# Altium PCB WaterSupplyController.PcbDoc (part 2 of 2)
Units mm, origin at the board's own origin, x right, y up, seen from the top; angles counter-clockwise.
Board outline 96 x 90 mm, 2 copper layers (Top Layer, Bottom Layer), stack 1.569 mm thick; 174 components, 120 nets, 529 pads, 451 vias.
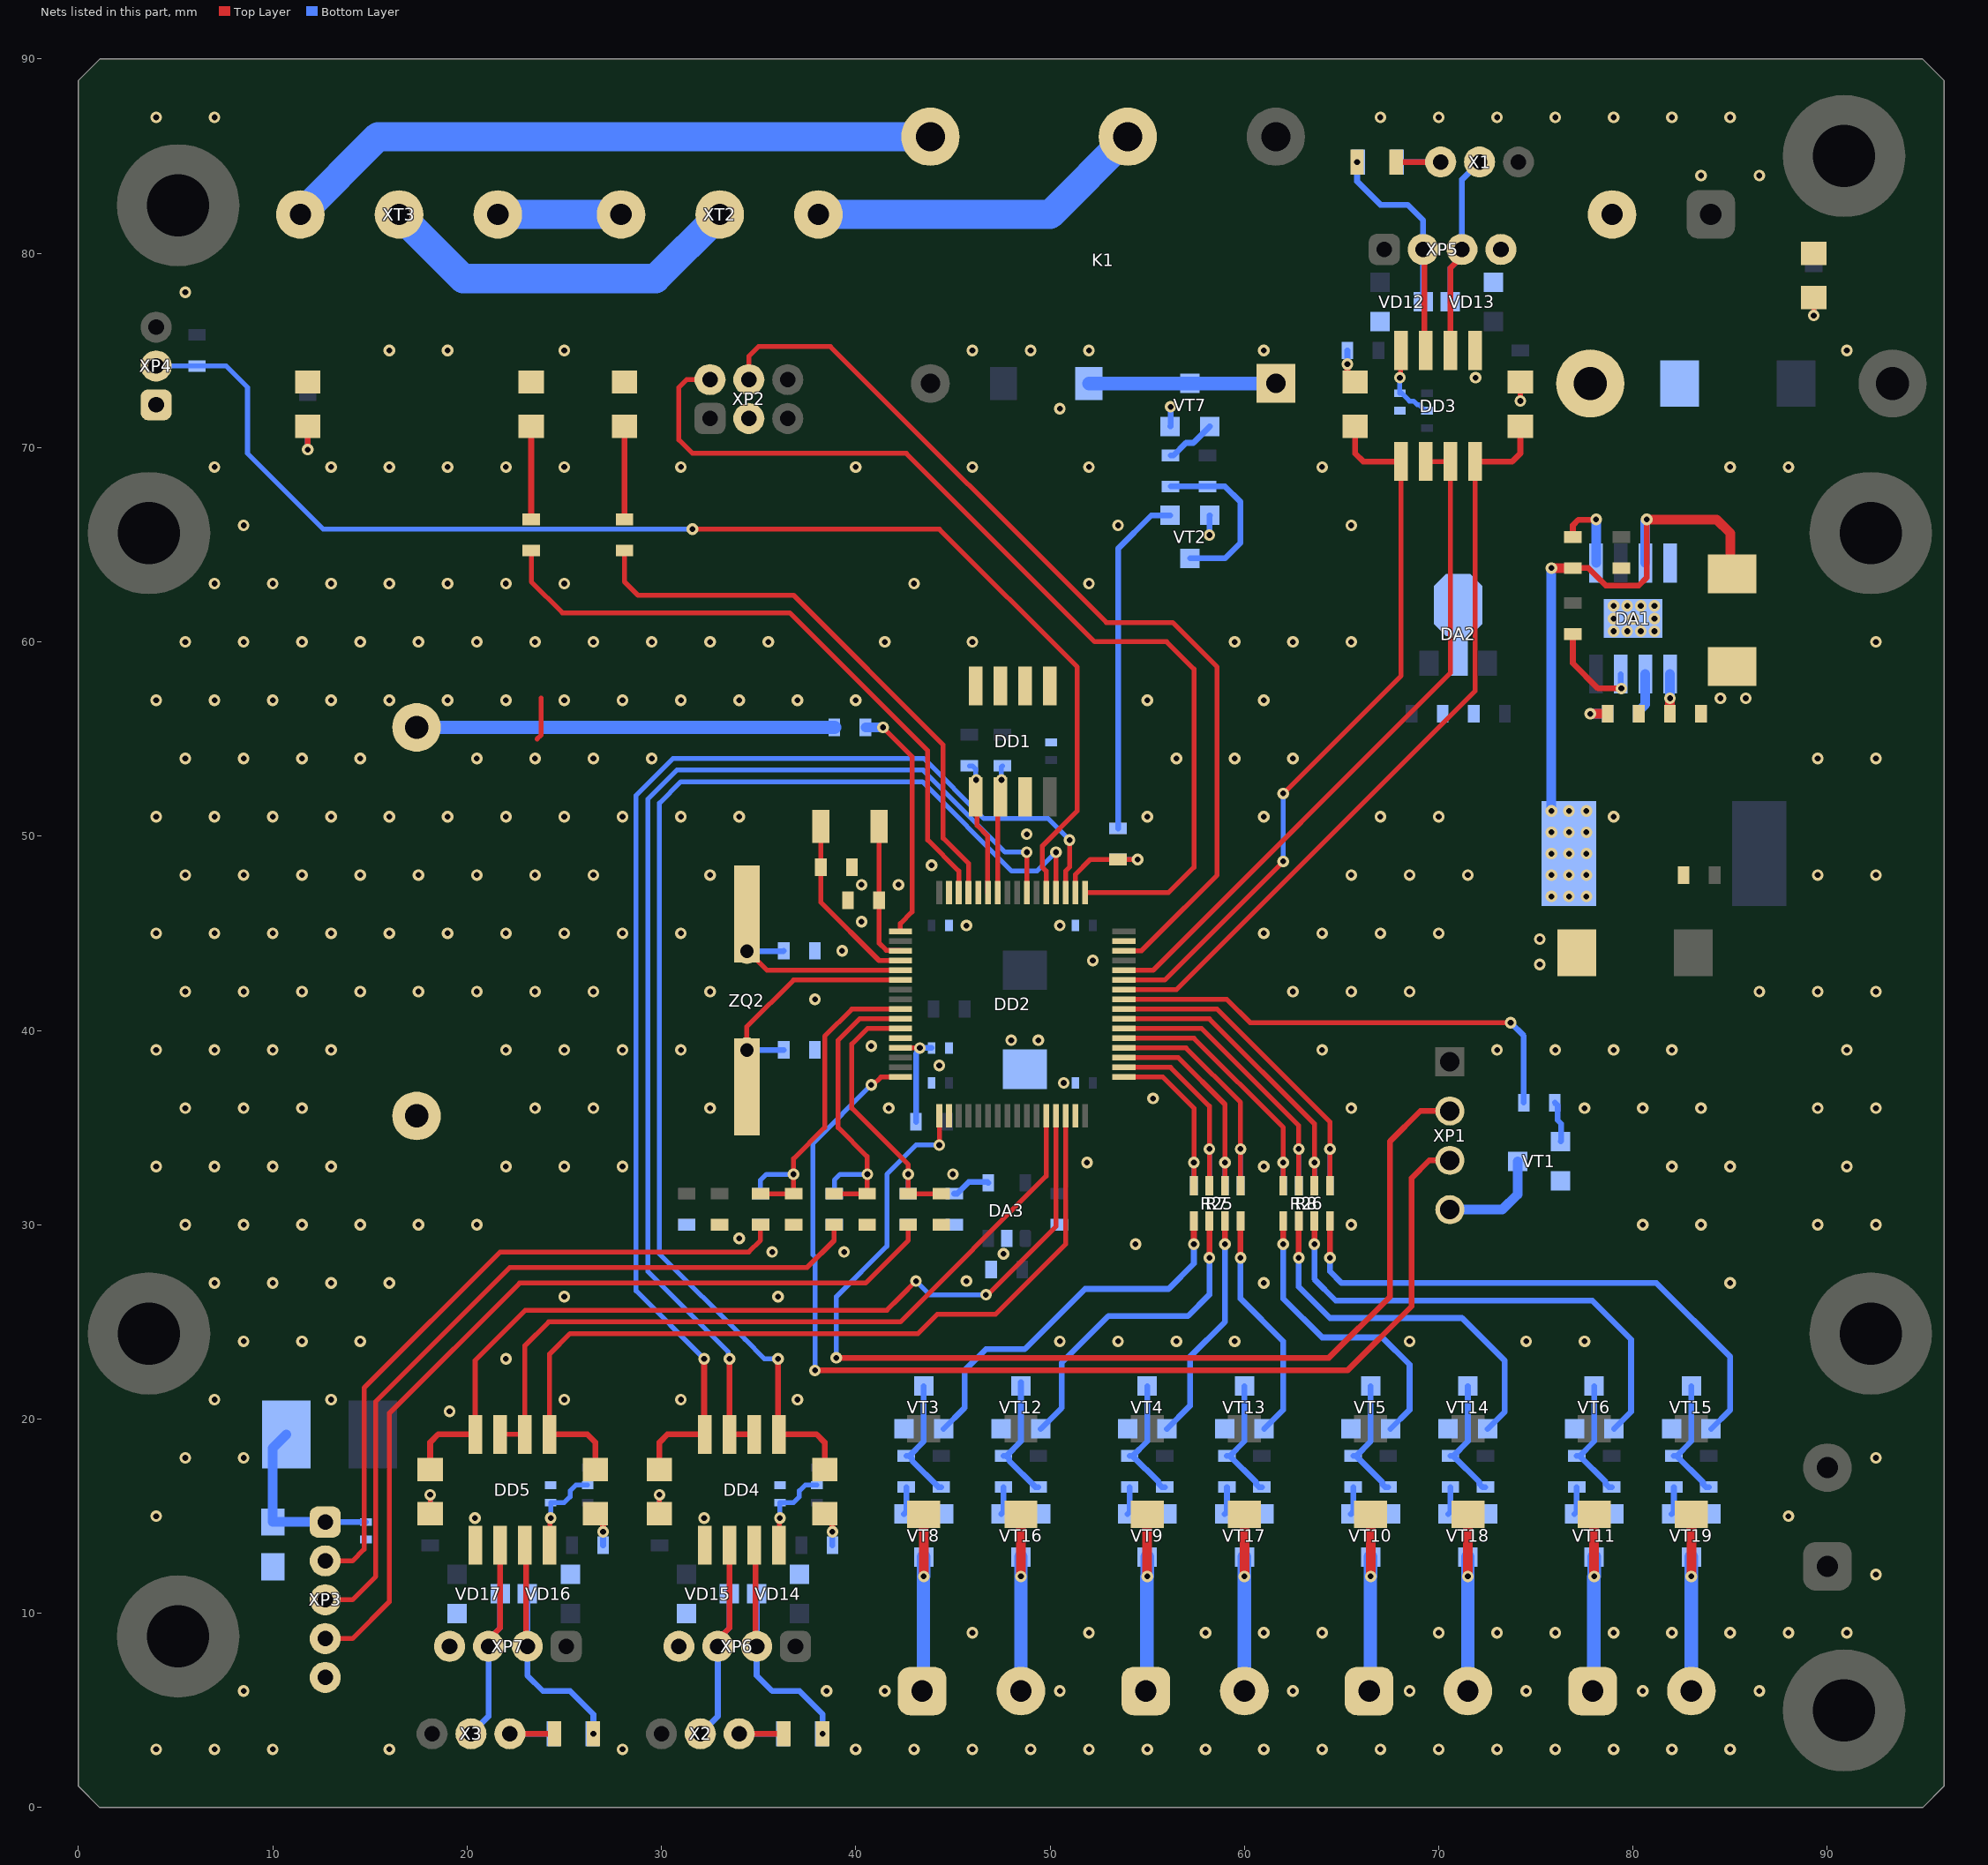
[diagram p2: the nets of this part, all layers, seen from the top]

## Via types
v1: diameter 0.6, hole 0.3, Top Layer to Bottom Layer, 266 vias
v2: diameter 0.6, hole 0.3, Top Layer to Bottom Layer, tented both sides, 185 vias

## Nets (pads, with @x,y where several pads share a name; then routed paths per layer and width w, separated by ;. In a path a pad name is that pad's centre, name@x,y a point inside that pad or via, vN(x,y) a via of type N, cw(c..) or ccw(c..) an arc to the next point about the centre after c; other vN are vias at no path point) (continued)
ADC_IN11_3: C20.1 DD2.9 R14.1 R21.2 | length 17.5
  Top Layer w0.25: R21.2@35.1,31.6 R14.1@36.8,31.6 36.8,33.4 38.4,35 38.4,39.7 39.8,41.1 DD2.9@42.3,41.1
  Bottom Layer w0.25: C20.1@35.1,31.6 35.1,32.3 35.4,32.6 v2(36.8,32.6)
ADC_IN12_3: C21.1 DD2.10 R15.1 R22.2 | length 16.4
  Top Layer w0.25: R22.2@38.884,31.6 R15.1@40.584,31.6 40.584,33.516 39.1,35 39.1,39.5 40.2,40.6 DD2.10@42.3,40.6
  Bottom Layer w0.25: C21.1@38.9,31.6 38.9,32.3 39.2,32.6 v2(40.6,32.6)
AIN2_1: R21.1 XP3.2 | length 34.9
  Top Layer w0.25: XP3.2@12.7,12.7 14.1,12.7 14.7,13.3 14.7,21.6 21.7,28.6 34.5,28.6 35.1,29.2 R21.1@35.1,30
AIN3_1: R22.1 XP3.3 | length 39.9
  Top Layer w0.25: XP3.3@12.7,10.7 14.1,10.7 15.3,11.9 15.3,20.9 22.2,27.8 37.5,27.8 38.884,29.184 R22.1@38.884,30
AIN4_1: R23.1 XP3.4 | length 45.1
  Top Layer w0.25: XP3.4@12.775,8.775 XP3.4@12.7,8.7 14.1,8.7 16,10.6 16,20.3 22.7,27 40.5,27 42.7,29.2 R23.1@42.7,30
COUNTER_IN_3: C22.1 DD2.11 R16.1 R23.2 | length 14.3
  Top Layer w0.25: DD2.11@42.3,40.1 40.6,40.1 39.8,39.3 39.8,36 42.7,33.1 v2(42.7,32.6) ; v2@42.7,32.5 R23.2@42.7,31.6 R16.1@44.4,31.6
  Bottom Layer w0.25: C22.1@42.7,31.6 v2(42.7,32.6)
DISP_PWR_EN_3: DD2.41 R19.1 | length 24.8
  Top Layer w0.25: DD2.41@53.8,41.6 59.1,41.6 60.3,40.4 v2(73.7,40.4)
  Bottom Layer w0.3: v2(73.7,40.4) 74.376,39.724 R19.1@74.376,36.285
EN_TXD/R\X\D\1: DD2.44 DD3.2 DD3.3 | length 35.3
  Top Layer w0.25: DD2.44@53.8,43.1 55.3,43.1 70.6,58.4 DD3.3@70.6,69.285 DD3.2@69.33,69.285
EN_TXD/R\X\D\2: DD2.55 DD4.2 DD4.3 | length 59.7
  Top Layer w0.25: DD4.2@34.77,19.215 DD4.2@34.785,19.23 ; DD2.55@48.8,47.1 v2(48.8,49.175)
  Top Layer w0.3: v2(33.5,23.1) DD4.3@33.5,19.215 DD4.2@34.77,19.215
  Bottom Layer w0.25: v2(33.5,23.1) 33.433,23.167 33.433,23.467 29.3,27.6 29.3,51.9 30.8,53.4 43.464,53.4 47.689,49.175 v2(48.8,49.175)
EN_TXD/R\X\D\3: DD2.28 DD5.2 DD5.3 | length 39.4
  Top Layer w0.25: DD5.3@21.7,19.215 DD5.2@22.97,19.215 22.97,23.77 24.2,25 42.291,25 49.8,32.509 DD2.28@49.8,35.6
GND: C1.2 C2.2 C3.2 C4.2 C7.2 C8.2 C9.1 C10.2 C11.2 C12.2 C13.2 C14.2 C15.2 C16.2 C17.2 C18.2 C19.2 C20.2 C21.2 C22.2 C23.2 C24.2 C25.2 C26.2 C27.2 C28.2 C29.1 C30.1 C31.1 DA1.4 DA1.9 DA2.2 DA3.2 DD1.1 DD1.2 DD1.3 DD1.4 DD1.7 DD2.12 DD2.18 DD2.31 DD2.47 DD2.60 DD2.63 DD3.5 DD4.5 DD5.5 GB1.2 HL1.2 HL2.2 HL3.2 HL4.2 R4.2 R5.2 R13.2 R14.2 R15.2 R16.2 VD1.1 VD2.1 VD12.1 VD13.1 VD14.1 VD15.1 VD16.1 VD17.1 VT1.2 VT2.2 VT3.2 VT4.2 VT5.2 VT6.2 VT7.2 VT8.2 VT9.2 VT10.2 VT11.2 VT12.2 VT13.2 VT14.2 VT15.2 VT16.2 VT17.2 VT18.2 VT19.2 XP2.3 XP3.5 XP4.1 XP5.4 XP6.4 XP7.4 XT1.2 | length 4.2
  Top Layer w0.25: 23.6,55 23.8,55.2 23.8,57.1
  Bottom Layer w0.3: VT7.2@56.184,71.09 56.2,71.106 v2(56.2,72.1) ; v2(58.2,65.5) 58.2,66.494 VT2.2@58.216,66.51
  other v1: 4,3 7,3 10,3 16,3 28,3 40,3 43,3 46,3 49,3 52,3 55,3 58,3 61,3 64,3 67,3 70,3 73,3 76,3 79,3 82,3 85,3 8.5,6 38.5,6 41.5,6 50.5,6 62.5,6 68.5,6 74.5,6 80.5,6 86.5,6 46,9 52,9 58,9 61,9 64,9 70,9 73,9 76,9 79,9 82,9 85,9 88,9 91,9 92.5,12 4,15 88,15 5.5,18 8.5,18 92.5,18 7,21 13,21 25,21 31,21 37,21 8.5,24 11.5,24 14.5,24 50.5,24 53.5,24 56.5,24 59.5,24 68.5,24 74.5,24 77.5,24 7,27 10,27 13,27 16,27 61,27 85,27 5.5,30 8.5,30 11.5,30 14.5,30 17.5,30 20.5,30 65.5,30 80.5,30 83.5,30 89.5,30 92.5,30 4,33 7,33 10,33 13,33 22,33 25,33 28,33 61,33 82,33 85,33 91,33 5.5,36 8.5,36 11.5,36 23.5,36 26.5,36 32.5,36 65.5,36 77.5,36 80.5,36 83.5,36 89.5,36 92.5,36 4,39 7,39 10,39 13,39 22,39 25,39 28,39 31,39 64,39 73,39 76,39 79,39 82,39 91,39 5.5,42 8.5,42 11.5,42 14.5,42 17.5,42 20.5,42 23.5,42 26.5,42 32.5,42 62.5,42 65.5,42 68.5,42 86.5,42 89.5,42 92.5,42 4,45 7,45 10,45 13,45 16,45 19,45 22,45 25,45 28,45 31,45 61,45 64,45 67,45 70,45 5.5,48 8.5,48 11.5,48 14.5,48 17.5,48 20.5,48 23.5,48 26.5,48 32.5,48 65.5,48 68.5,48 71.5,48 89.5,48 92.5,48 4,51 7,51 10,51 13,51 16,51 19,51 22,51 25,51 28,51 31,51 34,51 55,51 61,51 67,51 70,51 79,51 5.5,54 8.5,54 11.5,54 14.5,54 20.5,54 23.5,54 26.5,54 29.5,54 56.5,54 59.5,54 62.5,54 89.5,54 92.5,54 4,57 7,57 10,57 13,57 16,57 19,57 22,57 25,57 28,57 31,57 34,57 37,57 40,57 55,57 61,57 5.5,60 8.5,60 11.5,60 14.5,60 17.5,60 20.5,60 23.5,60 26.5,60 29.5,60 32.5,60 35.5,60 41.5,60 59.5,60 62.5,60 65.5,60 92.5,60 7,63 10,63 13,63 16,63 19,63 22,63 25,63 43,63 52,63 8.5,66 53.5,66 65.5,66 7,69 13,69 16,69 19,69 22,69 25,69 31,69 40,69 46,69 52,69 64,69 85,69 88,69 50.5,72 16,75 19,75 46,75 49,75 52,75 61,75 91,75 5.5,78 83.5,84 86.5,84 4,87 7,87 67,87 70,87 73,87 76,87 79,87 82,87 85,87
  other v2: 20.4,14.9 32.2,14.9 19.1,20.4 22,23.1 25,26.3 36,26.3 45.7,27.1 47.6,28.5 35.7,28.6 39.4,28.6 54.4,29 34,29.3 45,32.6 51.9,33.2 41.7,36 55.3,36.5 50.7,37.3 44.3,38.2 40.8,39.2 48,39.5 49.4,39.5 37.9,41.6 75.2,43.4 52.2,43.6 39.3,44.1 75.2,44.7 45.7,45.4 50.5,45.4 40.3,45.6 40.3,47.5 42.2,47.5 43.9,48.5 48.8,50.1 84.5,57.1 85.8,57.1 46,60 79,60.55 79.7,60.55 80.4,60.55 81.1,60.55 79,61.2 80,61.2 81.1,61.2 79,61.85 79.7,61.85 80.4,61.85 81.1,61.85 71.9,73.6 25,75
I2C1_SCL_3: DD1.6 DD2.58 R11.1 | length 7.7
  Top Layer w0.25: DD2.58@47.3,47.1 DD1.6@47.3,51.873 ; v2(47.5,52.9) DD1.6@47.45,52.85 ; DD1.6@47.3,51.873 47.3,52.7 DD1.6@47.45,52.85 ; DD1.6@47.3,51.873 DD1.6@47.45,52.023 DD1.6@47.45,52.85
  Bottom Layer w0.25: v2(47.5,52.9) 47.5,53.573 R11.1@47.55,53.623
I2C1_SDA_3: DD1.5 DD2.59 R12.1 | length 7
  Top Layer w0.25: v2(46.2,52.9) 46.2,52.043 DD1.5@46.18,52.023 46.25,51.953 46.25,50.55 46.775,50.025 46.775,47.125 DD2.59@46.8,47.1
  Bottom Layer w0.25: R12.1@45.85,53.623 46,53.623 46.175,53.448 46.175,52.925 v2(46.2,52.9)
LED1_3: DD2.62 R17.1 | length 33.6
  Top Layer w0.25: R17.1@23.3,64.7 23.3,63.1 24.9,61.5 36.6,61.5 43.7,54.4 43.7,49.8 45.3,48.2 DD2.62@45.3,47.1
LED2_3: DD2.61 R18.1 | length 29.6
  Top Layer w0.25: R18.1@28.1,64.7 28.1,63.1 28.8,62.4 36.8,62.4 44.5,54.7 44.5,49.9 45.8,48.6 DD2.61@45.8,47.1
NetC5_1: C5.1 DA1.1 | length 4.2
  Top Layer w0.3: C5.1@76.9,65.4 76.9,66.001 77.18,66.281 78.081,66.281 v2(78.1,66.3)
  Bottom Layer w0.5: DA1.1@78.095,64.057 78.097,64.06 78.097,66.298 v2(78.1,66.3)
NetC5_2: C5.2 DA1.3 L1.1 VD2.2 | length 29.9
  Top Layer w0.3: C5.2@76.9,63.8 77.7,63.8 77.799,63.701 78.6,62.9 80.3,62.9 80.7,63.3 v2(80.7,66.3)
  Top Layer w0.5: v2(75.8,63.8) C5.2@76.9,63.8 ; v2(80.7,66.3) 84.3,66.3 85,65.6 85,63.6 VD2.2@85.1,63.5
  Bottom Layer w0.5: v2(75.8,51.3) v2(75.8,63.8) ; DA1.3@80.635,64.057 80.635,66.208 80.7,66.273 v2(80.7,66.3)
  other v2: 75.8,46.9 76.7,46.9 77.6,46.9 75.8,48 76.7,48 77.6,48 75.8,49.1 76.7,49.1 77.6,49.1 75.8,50.2 76.7,50.2 77.6,50.2 76.7,51.3 77.6,51.3
NetC6_1: C6.1 DA1.6 | length 2.2
  Bottom Layer w0.5: C6.1@80.3,56.3 80.3,56.45 80.635,56.785 DA1.6@80.635,58.342
NetC6_2: C6.2 R5.1 | length 1.8
  Top Layer w0.5: v2(77.8,56.3) R5.1@78.7,56.3
  Bottom Layer w0.5: v2(77.8,56.3) C6.2@78.7,56.3
NetC11_1: C11.1 DA3.4 | length 2
  Bottom Layer w0.3: C11.1@45.07,31.6 45.22,31.6 45.82,32.2 46.775,32.2 DA3.4@46.818,32.157
NetC18_1: C18.1 DD2.13 L3.2 | length 5.5
  Top Layer w0.25: DD2.13@42.3,39.1 v2(43.3,39.1)
  Bottom Layer w0.3: L3.2@43.1,35.3 43.1,38.819 43.3,39.019 v2(43.3,39.1) C18.1@43.9,39.1
NetC23_1: C23.1 DD2.3 ZQ1.1 | length 7.7
  Top Layer w0.25: ZQ1.1@41.2,50.9 41.2,49 41.2,44.49 41.565,44.125 42.275,44.125 DD2.3@42.3,44.1
NetC24_1: C24.1 DD2.4 ZQ1.2 | length 9.6
  Top Layer w0.25: ZQ1.2@38.2,50.9 38.2,49 C24.1@38.2,48.4 38.2,46.6 41.2,43.6 DD2.4@42.3,43.6
NetC25_1: C25.1 DD2.5 ZQ2.2 | length 12.1
  Top Layer w0.25: ZQ2.2@34.4,45.99 34.4,44.14 35.44,43.1 DD2.5@42.3,43.1
  Bottom Layer w0.3: ZQ2.2@34.4,44.08 36.28,44.08 C25.1@36.3,44.1
NetC26_1: C26.1 DD2.6 ZQ2.1 | length 13.9
  Top Layer w0.25: ZQ2.1@34.4,37.1 ZQ2.1@34.4,39 34.4,40.2 36.8,42.6 DD2.6@42.3,42.6
  Bottom Layer w0.3: ZQ2.1@34.4,39 C26.1@36.3,39
NetC27_1: C27.1 C28.1 L4.1 XP3.1 | length 9.6
  Bottom Layer w0.3: XP3.1@12.7,14.7 C27.1@14.8,14.7
  Bottom Layer w0.5: L4.1@10.7,19.2 10,18.5 C28.1@10,14.7 XP3.1@12.7,14.7
NetDA1_5: DA1.5 R3.1 R4.1 | length 2.8
  Top Layer w0.5: R4.1@81.9,56.3 v2(81.9,57.1)
  Bottom Layer w0.5: R3.1@81.9,56.3 v2(81.9,57.1) 81.902,57.102 81.902,58.34 DA1.5@81.905,58.342
NetDA1_7: DA1.7 R2.2 | length 5.3
  Top Layer w0.3: R2.2@76.9,60.4 76.9,58.9 78.2,57.6 v2(79.4,57.6)
  Bottom Layer w0.3: DA1.7@79.365,58.342 79.365,57.635 v2(79.4,57.6)
NetDD2_1: DD2.1 R10.1 | length 12.3
  Top Layer w0.25: v2(41.4,55.6) 42.9,54.1 42.9,46.1 42.3,45.5 DD2.1@42.3,45.1
  Bottom Layer w0.5: R10.1@40.5,55.6 v2(41.4,55.6)
NetGB1_1: GB1.1 R10.2 | length 21.5
  Bottom Layer w0.7: GB1.1@17.4,55.6 R10.2@38.9,55.6
NetHL1_1: HL1.1 R1.1 | length 1.8
  Top Layer w0.25: v2(89.3,76.8) HL1.1@89.3,77.725
  Bottom Layer w0.25: v2(89.3,76.8) R1.1@89.3,77.725
NetHL2_1: HL2.1 R6.2 | length 2.4
  Top Layer w0.25: HL2.1@11.798,71.1 HL2.1@11.8,71.098
  Top Layer w0.3: v2(11.8,69.9) HL2.1@11.8,71.098
  Bottom Layer w0.25: R6.2@11.798,71.1 R6.2@11.8,71.098
  Bottom Layer w0.3: v2(11.8,69.9) R6.2@11.8,71.098
NetHL3_1: HL3.1 R17.2 | length 4.8
  Top Layer w0.3: R17.2@23.3,66.3 HL3.1@23.3,71.1
NetHL4_1: HL4.1 R18.2 | length 4.8
  Top Layer w0.3: R18.2@28.1,66.3 HL4.1@28.1,71.1
NetHL5_1: HL5.1 R46.2 | length 1.8
  Top Layer w0.3: v2(65.3,74.3) 65.3,73.775 HL5.1@65.7,73.375
  Bottom Layer w0.3: v2(65.3,74.3) R46.2@65.3,75
NetHL6_1: HL6.1 R47.2 | length 2
  Top Layer w0.25: v2(74.2,72.4) HL6.1@74.2,73.375
  Bottom Layer w0.25: v2(74.2,72.4) R47.2@74.2,73.4
NetHL7_1: HL7.1 R52.2 | length 1.8
  Top Layer w0.3: HL7.1@38.4,15.125 38.8,14.725 v2(38.8,14.2)
  Bottom Layer w0.3: R52.2@38.8,13.5 v2(38.8,14.2)
NetHL8_1: HL8.1 R53.2 | length 2
  Top Layer w0.25: HL8.1@29.9,15.125 v2(29.9,16.1)
  Bottom Layer w0.25: R53.2@29.9,15.1 v2(29.9,16.1)
NetHL9_1: HL9.1 R58.2 | length 1.8
  Top Layer w0.3: HL9.1@26.6,15.125 27,14.725 v2(27,14.2)
  Bottom Layer w0.3: R58.2@27,13.5 v2(27,14.2)
NetHL10_1: HL10.1 R59.2 | length 2
  Top Layer w0.25: HL10.1@18.1,15.125 v2(18.1,16.1)
  Bottom Layer w0.25: R59.2@18.1,15.1 v2(18.1,16.1)
NetK1_1: K1.1 VD7.1 VT7.3 | length 9.6
  Bottom Layer w0.7: VD7.1@52,73.3 VT7.3@57.2,73.3 K1.1@61.62,73.3
NetK1_3: K1.3 XT3.1 | length 34.1
  Bottom Layer w1.5: XT3.1@11.42,82 15.42,86 K1.3@43.84,86
NetK1_4: K1.4 XT2.1 | length 17.6
  Bottom Layer w1.5: XT2.1@38.08,82 50,82 K1.4@54,86
NetR19_2: R19.2 VT1.1 | length 2.1
  Bottom Layer w0.3: R19.2@75.976,36.285 76.115,36.146 76.115,35.385 76.3,35.2 76.3,34.309 VT1.1@76.276,34.285
NetR24_2: R24.2 VT2.1 | length 17.8
  Bottom Layer w0.3: R24.2@53.5,50.4 53.5,64.8 55.21,66.51 VT2.1@56.184,66.51
NetR25_2: R25.2 VT13.1 | length 12
  Top Layer w0.3: v2(59.8,28.3) R25.2@59.8,30.2
  Bottom Layer w0.3: v2(59.8,28.3) 59.8,26.2 62,24 62,20.474 VT13.1@61.016,19.49
NetR25_4: R25.4 VT4.1 | length 11.9
  Top Layer w0.3: v2(59,29) R25.4@59,30.2
  Bottom Layer w0.3: VT4.1@56.016,19.49 57.2,20.674 57.2,23.2 59,25 v2(59,29)
NetR25_6: R25.6 VT12.1 | length 16.7
  Top Layer w0.3: v2(58.2,28.3) R25.6@58.2,30.2
  Bottom Layer w0.3: VT12.1@49.516,19.49 50.6,20.574 50.6,22.9 53,25.3 57.1,25.3 58.2,26.4 v2(58.2,28.3)
NetR25_8: R25.8 VT3.1 | length 19.7
  Top Layer w0.3: v2(57.4,29) R25.8@57.4,30.2
  Bottom Layer w0.3: VT3.1@44.516,19.49 45.6,20.574 45.6,22.5 46.7,23.6 48.7,23.6 51.8,26.7 56.1,26.7 57.4,28 v2(57.4,29)
NetR26_2: R26.2 VT15.1 | length 29.1
  Top Layer w0.3: v2(64.4,28.3) R26.2@64.4,30.2
  Bottom Layer w0.3: v2(64.4,28.3) 64.4,27.6 65,27 81.2,27 85,23.2 85,20.474 VT15.1@84.016,19.49
NetR26_4: R26.4 VT6.1 | length 25.6
  Top Layer w0.3: v2(63.6,29) R26.4@63.6,30.2
  Bottom Layer w0.3: v2(63.6,29) 63.6,27.2 64.7,26.1 77.9,26.1 79.9,24.1 79.9,20.374 VT6.1@79.016,19.49
NetR26_6: R26.6 VT14.1 | length 19.4
  Top Layer w0.3: v2(62.8,28.3) R26.6@62.8,30.2
  Bottom Layer w0.3: v2(62.8,28.3) 62.8,26.8 64.4,25.2 71.2,25.2 73.4,23 73.4,20.374 VT14.1@72.516,19.49
NetR26_8: R26.8 VT5.1 | length 15.6
  Top Layer w0.3: v2(62,29) R26.8@62,30.2
  Bottom Layer w0.3: v2(62,29) 62,26.2 64,24.2 67.1,24.2 68.5,22.8 68.5,20.474 VT5.1@67.516,19.49
NetR27_2: R27.2 R32.2 VT2.3 | length 9
  Bottom Layer w0.3: R32.2@56.2,68 R27.2@58.1,68 59,68 59.8,67.2 59.8,65.1 59,64.3 VT2.3@57.2,64.3
NetR28_2: R28.2 R33.2 VT3.3 | length 6.4
  Bottom Layer w0.3: R33.2@42.6,18.1 R33.2@42.75,18.1 ; VT3.3@43.5,21.7 43.5,18.85 R33.2@42.75,18.1 ; R28.2@44.4,16.5 44.25,16.5 42.9,17.85 42.9,17.95 R33.2@42.75,18.1
NetR29_2: R29.2 R34.2 VT4.3 | length 6.4
  Bottom Layer w0.3: R34.2@54.1,18.1 R34.2@54.25,18.1 ; VT4.3@55,21.7 55,18.85 R34.2@54.25,18.1 ; R29.2@55.9,16.5 55.75,16.5 55.6,16.65 55.6,16.75 R34.2@54.25,18.1
NetR30_2: R30.2 R35.2 VT5.3 | length 6.4
  Bottom Layer w0.3: R35.2@65.6,18.1 R35.2@65.75,18.1 ; VT5.3@66.5,21.7 66.5,18.85 R35.2@65.75,18.1 ; R30.2@67.4,16.5 67.25,16.5 67.1,16.65 67.1,16.75 R35.2@65.75,18.1
NetR31_2: R31.2 R36.2 VT6.3 | length 6.4
  Bottom Layer w0.3: R36.2@77.1,18.1 R36.2@77.25,18.1 ; VT6.3@78,21.7 78,18.85 R36.2@77.25,18.1 ; R31.2@78.9,16.5 78.75,16.5 78.6,16.65 78.6,16.75 R36.2@77.25,18.1
NetR32_1: R32.1 VT7.1 | length 2.6
  Bottom Layer w0.3: R32.1@56.2,69.6 56.35,69.6 56.995,70.245 57.371,70.245 VT7.1@58.216,71.09
NetR33_1: R33.1 VT8.1 | length 1.4
  Bottom Layer w0.3: VT8.1@42.484,15.11 42.6,15.226 R33.1@42.6,16.5
NetR34_1: R34.1 VT9.1 | length 1.4
  Bottom Layer w0.3: VT9.1@53.984,15.11 54.1,15.226 R34.1@54.1,16.5
NetR35_1: R35.1 VT10.1 | length 1.4
  Bottom Layer w0.3: VT10.1@65.484,15.11 65.6,15.226 R35.1@65.6,16.5
NetR36_1: R36.1 VT11.1 | length 1.4
  Bottom Layer w0.3: VT11.1@76.984,15.11 77.1,15.226 R36.1@77.1,16.5
NetR37_2: R37.2 R41.2 VT12.3 | length 6.6
  Bottom Layer w0.3: R41.2@47.6,18.1 R41.2@47.75,18.1 ; VT12.3@48.5,21.9 48.5,18.85 R41.2@47.75,18.1 ; R37.2@49.4,16.5 49.25,16.5 47.9,17.85 47.9,17.95 R41.2@47.75,18.1
NetR38_2: R38.2 R42.2 VT13.3 | length 6.4
  Bottom Layer w0.3: R42.2@59.1,18.1 R42.2@59.25,18.1 ; VT13.3@60,21.7 60,18.85 R42.2@59.25,18.1 ; R38.2@60.9,16.5 60.75,16.5 60.6,16.65 60.6,16.75 R42.2@59.25,18.1
NetR39_2: R39.2 R43.2 VT14.3 | length 6.4
  Bottom Layer w0.3: R43.2@70.6,18.1 R43.2@70.75,18.1 ; VT14.3@71.5,21.7 71.5,18.85 R43.2@70.75,18.1 ; R39.2@72.4,16.5 72.25,16.5 72.1,16.65 72.1,16.75 R43.2@70.75,18.1
NetR40_2: R40.2 R44.2 VT15.3 | length 6.4
  Bottom Layer w0.3: R44.2@82.1,18.1 R44.2@82.25,18.1 ; VT15.3@83,21.7 83,18.85 R44.2@82.25,18.1 ; R40.2@83.9,16.5 83.75,16.5 83.6,16.65 83.6,16.75 R44.2@82.25,18.1
NetR41_1: R41.1 VT16.1 | length 1.4
  Bottom Layer w0.3: VT16.1@47.484,15.11 47.6,15.226 R41.1@47.6,16.5
NetR42_1: R42.1 VT17.1 | length 1.4
  Bottom Layer w0.3: VT17.1@58.984,15.11 59.1,15.226 R42.1@59.1,16.5
NetR43_1: R43.1 VT18.1 | length 1.4
  Bottom Layer w0.3: VT18.1@70.484,15.11 70.6,15.226 R43.1@70.6,16.5
NetR44_1: R44.1 VT19.1 | length 1.4
  Bottom Layer w0.3: VT19.1@81.984,15.11 82.1,15.226 R44.1@82.1,16.5
NetR48_2: R48.2 R49.2 X1.1 | length 4.6
  Top Layer w0.3: R49.2@67.8,84.7 X1.1@70.1,84.7
  Bottom Layer w0.3: R48.2@67.85,84.692 67.858,84.7 X1.1@70.1,84.7
NetR54_2: R54.2 R55.2 X2.1 | length 4.6
  Top Layer w0.3: X2.1@34,3.8 R55.2@36.3,3.8
  Bottom Layer w0.3: X2.1@34,3.8 36.242,3.8 R54.2@36.25,3.808
NetR60_2: R60.2 R61.2 X3.1 | length 4.6
  Top Layer w0.3: X3.1@22.2,3.8 R61.2@24.5,3.8
  Bottom Layer w0.3: X3.1@22.2,3.8 24.442,3.8 R60.2@24.45,3.808
NetVD3_1: VD3.1 VT8.3 XT5.1 | length 10.1
  Top Layer w0.5: v2(43.5,11.9) VD3.1@43.5,15.1
  Bottom Layer w0.7: XT5.1@43.42,6 43.481,6.061 43.481,11.881 v2(43.5,11.9) VT8.3@43.5,12.9
NetVD4_1: VD4.1 VT9.3 XT6.1 | length 10.1
  Top Layer w0.5: v2(55,11.9) VD4.1@55,15.1
  Bottom Layer w0.7: XT6.1@54.92,6 54.981,6.061 54.981,11.881 v2(55,11.9) VT9.3@55,12.9
NetVD5_1: VD5.1 VT10.3 XT7.1 | length 10.1
  Top Layer w0.5: v2(66.5,11.9) VD5.1@66.5,15.1
  Bottom Layer w0.7: XT7.1@66.42,6 66.481,6.061 66.481,11.881 v2(66.5,11.9) VT10.3@66.5,12.9
NetVD6_1: VD6.1 VT11.3 XT8.1 | length 10.1
  Top Layer w0.5: v2(78,11.9) VD6.1@78,15.1
  Bottom Layer w0.7: XT8.1@77.92,6 77.981,6.061 77.981,11.881 v2(78,11.9) VT11.3@78,12.9
NetVD8_1: VD8.1 VT16.3 XT5.2 | length 10.1
  Top Layer w0.5: v2(48.5,11.9) VD8.1@48.5,15.1
  Bottom Layer w0.7: XT5.2@48.5,6 v2(48.5,11.9) VT16.3@48.5,12.9
NetVD9_1: VD9.1 VT17.3 XT6.2 | length 10.1
  Top Layer w0.5: v2(60,11.9) VD9.1@60,15.1
  Bottom Layer w0.7: XT6.2@60,6 v2(60,11.9) VT17.3@60,12.9
NetVD10_1: VD10.1 VT18.3 XT7.2 | length 10.1
  Top Layer w0.5: v2(71.5,11.9) VD10.1@71.5,15.1
  Bottom Layer w0.7: XT7.2@71.5,6 v2(71.5,11.9) VT18.3@71.5,12.9
NetVD11_1: VD11.1 VT19.3 XT8.2 | length 10.1
  Top Layer w0.5: v2(83,11.9) VD11.1@83,15.1
  Bottom Layer w0.7: XT8.2@83,6 v2(83,11.9) VT19.3@83,12.9
NetVT1_3: VT1.3 XP1.4 | length 5.5
  Bottom Layer w0.5: XP1.4@70.576,30.775 73.275,30.775 74.066,31.566 VT1.3@74.066,33.269
NetXT2_2: XT2.2 XT3.2 | length 19.2
  Bottom Layer w1.5: XT3.2@16.5,82 19.8,78.7 29.7,78.7 XT2.2@33,82
NetXT2_3: XT2.3 XT3.3 | length 6.3
  Bottom Layer w1.5: XT3.3@21.58,82 XT2.3@27.92,82
PUMP_ON/OFF: DD2.50 R9.1 R24.1 | length 7.1
  Top Layer w0.25: DD2.50@51.3,47.1 51.3,48.027 52.073,48.8 v2(54.5,48.8) 52.925,48.8
  Bottom Layer w0.25: R24.1@53.45,48.8 v2(54.5,48.8)
RS485-A_C1: DD3.6 VD13.3 X1.2 XP5.3 | length 13.3
  Top Layer w0.3: DD3.6@70.6,75 70.6,79.248 71.2,79.848 XP5.3@71.2,80.2
  Bottom Layer w0.3: VD13.3@70.6,77.5 70.6,79.248 71.2,79.848 XP5.3@71.2,80.2 71.2,83.8 X1.2@72.1,84.7
RS485-A_C2: DD4.6 VD15.3 X2.2 XP6.3 | length 13.3
  Top Layer w0.3: XP6.3@32.9,8.3 32.9,8.652 33.5,9.252 DD4.6@33.5,13.5
  Bottom Layer w0.3: X2.2@32,3.8 32.9,4.7 XP6.3@32.9,8.3 32.9,8.652 33.5,9.252 VD15.3@33.5,11
RS485-A_C3: DD5.6 VD17.3 X3.2 XP7.3 | length 13.3
  Top Layer w0.3: XP7.3@21.1,8.3 21.1,8.652 21.7,9.252 DD5.6@21.7,13.5
  Bottom Layer w0.3: X3.2@20.2,3.8 21.1,4.7 XP7.3@21.1,8.3 21.1,8.652 21.7,9.252 VD17.3@21.7,11
RS485-B_C1: DD3.7 R48.1 R49.1 VD12.3 XP5.2 | length 14.6
  Top Layer w0.3: XP5.2@69.2,80.2 69.265,80.135 69.265,75.065 DD3.7@69.33,75
  Bottom Layer w0.3: R48.1@65.8,84.642 65.8,83.7 67,82.5 68.4,82.5 69.2,81.7 XP5.2@69.2,80.2 VD12.3@69.2,77.5
  other v2: 65.8,84.7
RS485-B_C2: DD4.7 R54.1 R55.1 VD14.3 XP6.2 | length 14.6
  Top Layer w0.3: DD4.7@34.77,13.5 34.835,13.435 34.835,8.365 XP6.2@34.9,8.3
  Bottom Layer w0.3: VD14.3@34.9,11 XP6.2@34.9,8.3 34.9,6.8 35.7,6 37.1,6 38.3,4.8 R54.1@38.3,3.858
  other v2: 38.3,3.8
RS485-B_C3: DD5.7 R60.1 R61.1 VD16.3 XP7.2 | length 14.6
  Top Layer w0.3: DD5.7@22.97,13.5 23.035,13.435 23.035,8.365 XP7.2@23.1,8.3
  Bottom Layer w0.3: VD16.3@23.1,11 XP7.2@23.1,8.3 23.1,6.8 23.9,6 25.3,6 26.5,4.8 R60.1@26.5,3.858
  other v2: 26.5,3.8
RS485_PWR_C1: C29.2 DD3.8 R50.1 R51.1 | length 4
  Top Layer w0.25: v2(68,73.6) 68.03,73.63 68.03,74.97 DD3.8@68.06,75
  Bottom Layer w0.25: v2(68,73.6) C29.2@68,72.8 68.1,72.8 68.5,72.4 68.7,72.4 68.9,72.2 69,72.2 69.3,71.9 R51.1@69.4,71.9
RS485_PWR_C2: C30.2 DD4.8 R56.1 R57.1 | length 4.7
  Top Layer w0.25: DD4.8@36.04,13.5 36.07,13.53 36.07,14.87 v2(36.1,14.9)
  Bottom Layer w0.25: v2(36.1,14.9) C30.2@36.1,15.7 36.8,15.7 37.1,16 37.1,16.3 37.4,16.6 R57.1@38,16.6
RS485_PWR_C3: C31.2 DD5.8 R62.1 R63.1 | length 4.7
  Top Layer w0.25: DD5.8@24.24,13.5 24.27,13.53 24.27,14.87 v2(24.3,14.9)
  Bottom Layer w0.25: v2(24.3,14.9) C31.2@24.3,15.7 25,15.7 25.3,16 25.3,16.3 25.6,16.6 R63.1@26.2,16.6
RXD1: DD2.43 DD3.1 HL5.2 | length 37.5
  Top Layer w0.25: DD2.43@53.8,42.6 55.9,42.6 v2(62,48.7) ; v2(62,52.2) 68.06,58.26 DD3.1@68.06,69.285
  Top Layer w0.3: HL5.2@65.7,70.8 65.7,69.7 66.115,69.285 DD3.1@68.06,69.285
  Bottom Layer w0.25: v2(62,48.7) v2(62,52.2)
RXD2: DD2.52 DD4.1 HL7.2 | length 64.3
  Top Layer w0.25: DD2.52@50.3,47.1 v2(50.3,49.175)
  Top Layer w0.3: v2(36,23.1) 36,19.255 DD4.1@36.04,19.215 37.985,19.215 38.4,18.8 HL7.2@38.4,17.7
  Bottom Layer w0.25: v2@35.995,23.105 35.295,23.105 34.3,24.1 29.9,28.5 29.9,51.7 31,52.8 43.427,52.8 48.027,48.2 49.325,48.2 v2(50.3,49.175)
RXD3: DD2.30 DD5.1 HL9.2 | length 43.3
  Top Layer w0.25: DD5.1@24.24,19.215 24.24,23.34 25.3,24.4 43.2,24.4 44.2,25.4 47.2,25.4 50.8,29 DD2.30@50.8,35.6
  Top Layer w0.3: DD5.1@24.24,19.215 26.185,19.215 26.6,18.8 HL9.2@26.6,17.7
RXD(2)-Nextion_3: DD2.17 XP1.2 | length 56.9
  Top Layer w0.25: v2(44.3,34.1) DD2.17@44.3,35.6
  Top Layer w0.3: v2@38.996,23.15 64.35,23.15 67.5,26.3 67.5,34.3 69.055,35.855 XP1.2@70.576,35.855
  Bottom Layer w0.25: v2(39,23.15) 39,26.3 41.6,28.9 41.6,32.6 43.1,34.1 v2(44.3,34.1)
SWCLK_3: DD2.49 XP2.2 | length 52.2
  Top Layer w0.25: XP2.2@32.5,73.5 31.3,73.5 30.9,73.1 30.9,70.4 31.6,69.7 42.6,69.7 52.294,60.006 55.994,60.006 57.4,58.6 57.4,48.4 56.1,47.1 DD2.49@51.8,47.1
SWDIO_3: DD2.46 XP2.4 | length 49.5
  Top Layer w0.25: XP2.4@34.5,73.5 34.5,74.7 35,75.2 38.7,75.2 52.9,61 56.3,61 58.6,58.7 58.6,48 55.3,44.7 54.7,44.1 DD2.46@53.8,44.1
TXD1: DD2.42 DD3.4 HL6.2 | length 40.2
  Top Layer w0.25: DD2.42@53.8,42.1 56.5,42.1 71.87,57.47 DD3.4@71.87,69.285
  Top Layer w0.3: DD3.4@71.87,69.285 73.785,69.285 74.2,69.7 HL6.2@74.2,71.1
TXD2: DD2.51 DD4.4 HL8.2 | length 65.9
  Top Layer w0.25: DD2.51@50.8,47.1 50.8,48.204 51,48.404 v2(51,49.8)
  Top Layer w0.3: HL8.2@29.9,17.4 29.9,18.8 30.315,19.215 DD4.4@32.23,19.215 32.2,19.245 v2(32.2,23.1)
  Bottom Layer w0.25: v2(32.2,23.1) 28.7,26.6 28.7,52.1 30.6,54 43.5,54 46.6,50.9 49.9,50.9 v2(51,49.8)
TXD3: DD2.29 DD5.4 HL10.2 | length 46.7
  Top Layer w0.25: DD5.4@20.415,19.23 20.415,23.015 23,25.6 41.6,25.6 42.267,26.267 v2(43.1,27.1) ; v2(46.7,26.4) 46.795,26.4 46.97,26.575 46.975,26.575 50.3,29.9 DD2.29@50.3,35.6
  Top Layer w0.3: HL10.2@18.1,17.4 18.1,18.8 18.515,19.215 DD5.4@20.43,19.215 DD5.4@20.415,19.23
  Bottom Layer w0.25: v2(43.1,27.1) 43.8,26.4 v2(46.7,26.4)
TXD5_1: DD2.53 R45.1 XP4.2 | length 68.2
  Top Layer w0.25: v2(31.6,65.8) 44.3,65.8 51.4,58.7 51.4,51.3 49.6,49.5 49.6,48.4 49.8,48.2 DD2.53@49.8,47.1
  Bottom Layer w0.25: XP4.2@4,74.2 R45.1@6.1,74.2 7.6,74.2 8.7,73.1 8.7,69.7 12.6,65.8 v2(31.6,65.8)
TXD(2)-Nextion_3: DD2.16 XP1.3 | length 58.7
  Top Layer w0.25: v2(40.8,37.2) 40.895,37.2 41.295,37.6 DD2.16@42.3,37.6
  Top Layer w0.3: v2(37.9,22.5) 65.3,22.5 68.6,25.8 68.6,32.4 69.515,33.315 XP1.3@70.576,33.315
  Bottom Layer w0.25: v2(37.9,22.5) 37.9,28.347 37.8,28.447 37.8,34.2 v2(40.8,37.2)
WATER_ZONE1: DD2.33 R7.1 R25.7 | length 9.5
  Top Layer w0.25: DD2.33@53.8,37.6 55.8,37.6 57.4,36 R25.7@57.4,32
  Bottom Layer w0.25: R7.1@57.4,32 v2(57.4,33.2)
WATER_ZONE2: DD2.34 R7.3 R25.5 | length 11.2
  Top Layer w0.25: DD2.34@53.8,38.1 56.2,38.1 58.2,36.1 R25.5@58.2,32
  Bottom Layer w0.25: R7.3@58.2,32 v2(58.2,33.9)
WATER_ZONE3: DD2.35 R7.5 R25.3 | length 11.6
  Top Layer w0.25: DD2.35@53.8,38.6 56.6,38.6 59,36.2 R25.3@59,32
  Bottom Layer w0.25: R7.5@59,32 v2(59,33.2)
WATER_ZONE4: DD2.36 R7.7 R25.1 | length 13.4
  Top Layer w0.25: DD2.36@53.8,39.1 57,39.1 59.8,36.3 R25.1@59.8,32
  Bottom Layer w0.25: R7.7@59.8,32 v2(59.8,33.9)
WATER_ZONE5: DD2.37 R8.1 R26.7 | length 14.3
  Top Layer w0.25: DD2.37@53.8,39.6 57.4,39.6 62,35 v2(62,33.2) R26.7@62,32
  Bottom Layer w0.25: R8.1@62,32 v2(62,33.2)
WATER_ZONE6: DD2.38 R8.3 R26.5 | length 16.1
  Top Layer w0.25: DD2.38@53.8,40.1 57.8,40.1 62.8,35.1 v2(62.8,33.9) R26.5@62.8,32
  Bottom Layer w0.25: R8.3@62.8,32 v2(62.8,33.9)
WATER_ZONE7: DD2.39 R8.5 R26.3 | length 16.4
  Top Layer w0.25: DD2.39@53.8,40.6 58.2,40.6 63.6,35.2 v2(63.6,33.2) R26.3@63.6,32
  Bottom Layer w0.25: R8.5@63.6,32 v2(63.6,33.2)
WATER_ZONE8: DD2.40 R8.7 R26.1 | length 18.2
  Top Layer w0.25: DD2.40@53.8,41.1 58.6,41.1 64.4,35.3 v2(64.4,33.9) R26.1@64.4,32
  Bottom Layer w0.25: R8.7@64.4,32 v2(64.4,33.9)
pads on no net: DA1.8 DD2.2 DD2.7 DD2.14 DD2.15 DD2.20 DD2.21 DD2.22 DD2.23 DD2.24 DD2.25 DD2.26 DD2.27 DD2.45 DD2.54 DD2.56 DD2.57 K1.5 VD12.2 VD13.2 VD14.2 VD15.2 VD16.2 VD17.2 X1.3 X2.3 X3.3 XP2.5 XP2.6

## Polygon pours and split planes (outlines as drawn)
GND on Top Layer "GND_L01_P003" (solid, pour order 3): 1,88 2,89 94,89 95,88 95,2 94,1 2,1 1,2
+5V on Top Layer "+5V_L01_P002" (solid, pour order 2): 85.1,46.4 85.1,51.8 87.9,51.8 87.9,46.4
NetC5_2 on Top Layer "NETC5_2_L01_P000" (solid, pour order 0): 75.3,46.4 75.3,51.8 78.1,51.8 78.1,46.4
GND on Bottom Layer "GND_L02_P001" (solid, pour order 1): 1,88 2,89 94,89 95,88 95,2 94,1 2,1 1,2

## Keep-outs
Top Layer:
  region: 10,76 9,77 9,88 10,89 63,89 64.5,87.5 64.5,78.5 62,76
Bottom Layer:
  region: 10,76 9,77 9,88 10,89 63,89 64.5,87.5 64.5,78.5 62,76

## Silkscreen, mask and mechanical layers (free items; w line width, h text height)
Top Overlay:
  lines w0.2: 0.3,27.7 0.3,21 7,21 ; 0.3,62.3 0.3,69 7,69 ; 26.052,20.992 30.7,20.992 ; 88.9,21 95.6,21 95.6,27.7 ; 88.9,69 95.6,69 95.6,62.3
  lines w0.25: 23,56 24,56 ; 23.5,55.5 23.5,56.5
  text "~220В Насос" at 12.4,88.017 h1.5
  text "~220В Сеть" at 29.3,88.017 h1.5
  text "RS485-1" at 65.6,88 h1.5
  text "Питание +24В" at 77.1,88 h1.5
  text "Фаза" at 36.424,86.341 h1.5
  text "Фаза" at 9.8,86.315 h1.5
  text "Ноль" at 14.9,86.315 h1.5
  text "Земля" at 19.5,86.317 h1.5
  text "Земля" at 25.7,86.317 h1.5
  text "Ноль" at 31.5,86.315 h1.5
  text "Общ." at 77.3,86.297 h1.5
  text "+24В" at 82.5,86.3 h1.5
  text "T" at 70.77,86.165 h1.5
  text "+24В" at 65.1,76.3 h1.5
  text "B" at 68.7,76.3 h1.5
  text "A" at 70.8,76.3 h1.5
  text "Общ." at 72.3,76.297 h1.5
  text "+24В" at 90.6,76.3 h1.5
  text "+5В" at 7.1,75.817 h1.5
  text "Data" at 7.2,73.715 h1.5
  text "Общ." at 7.1,71.897 h1.5
  text "+5В" at 13,69.417 h1.5
  text "Темп." at 7,69.4 h1.5
  text "RxD" at 64.6,68.5 h1.5
  text "TxD" at 73,68.5 h1.5
  text "PC/104 form factor" at 40.8,66.9 h1.5
  text "Контроллер / водоснабжения / и полива КВП-1, / rev 1.1, 25.06.2022" at 61.8,46.3 h1.5
  text "+5В" at 66.1,37.817 h1.5
  text "TxD" at 66.1,35.4 h1.5
  text "RxD" at 66,32.8 h1.5
  text "CR2032" at 14.7,30.617 h1.5
  text "Общ." at 65.5,30.297 h1.5
  text "Backup Battery" at 12.9,28.582 h1.5
  text "Дисплей Nextion 3.2\"" at 67.1,28.123 h1.5
  text "TxD" at 16.9,18.9 h1.5
  text "RxD" at 25.4,18.9 h1.5
  text "TxD" at 28.7,18.9 h1.5
  text "RxD" at 37.2,18.9 h1.5
  text "Аналог. / входы" at 10.2,17.2 h1.5
  text "+5В" at 7.2,14.217 h1.5
  text "+24В" at 95.314,13.334 h1.5 r90
  text "Датч. давл." at 2.4,12.2 h1.5
  text "Общ." at 16.886,11.323 h1.5
  text "+24В" at 24.286,11.326 h1.5
  text "Общ." at 28.7,11.297 h1.5
  text "+24В" at 36.1,11.3 h1.5
  text "B" at 22.586,11.226 h1.5
  text "B" at 34.4,11.2 h1.5
  text "A" at 20.729,11.184 h1.5
  text "A" at 32.542,11.157 h1.5
  text "2" at 8.9,10.2 h1.5
  text "Имп. вх." at 4.4,4.2 h1.5
  text "Полив" at 87.185,4.2 h1.5 r90
  text "Общ." at 6.2,2.797 h1.5
  text "T" at 20.829,1.385 h1.5
  text "T" at 32.6,1.4 h1.5
  text "Вых.1" at 41.7,0.8 h1.5
  text "Вых.2" at 46.9,0.8 h1.5
  text "Вых.3" at 53.2,0.817 h1.5
  text "Вых.4" at 58.4,0.8 h1.5
  text "Вых.5" at 64.7,0.817 h1.5
  text "Вых.6" at 69.9,0.817 h1.5
  text "Вых.7" at 76.2,0.8 h1.5
  text "Вых.8" at 81.4,0.817 h1.5
  text "RS485-3" at 22.593,0.517 h1.5
  text "RS485-2" at 34.3,0.5 h1.5
Bottom Overlay:
  text "5V" at 72.6,72 h1.5
  text "3V3" at 72.6,70.7 h1.5
  text "5V" at 29.3,17.1 h1.5
  text "5V" at 41.2,17.1 h1.5
  text "3V3" at 29.3,15.8 h1.5
  text "3V3" at 41.2,15.8 h1.5
M4 Board:
  the board outline again, w0.2